# KiCad board type-c-card_lexxpluss_2023.kicad_pcb (continued)
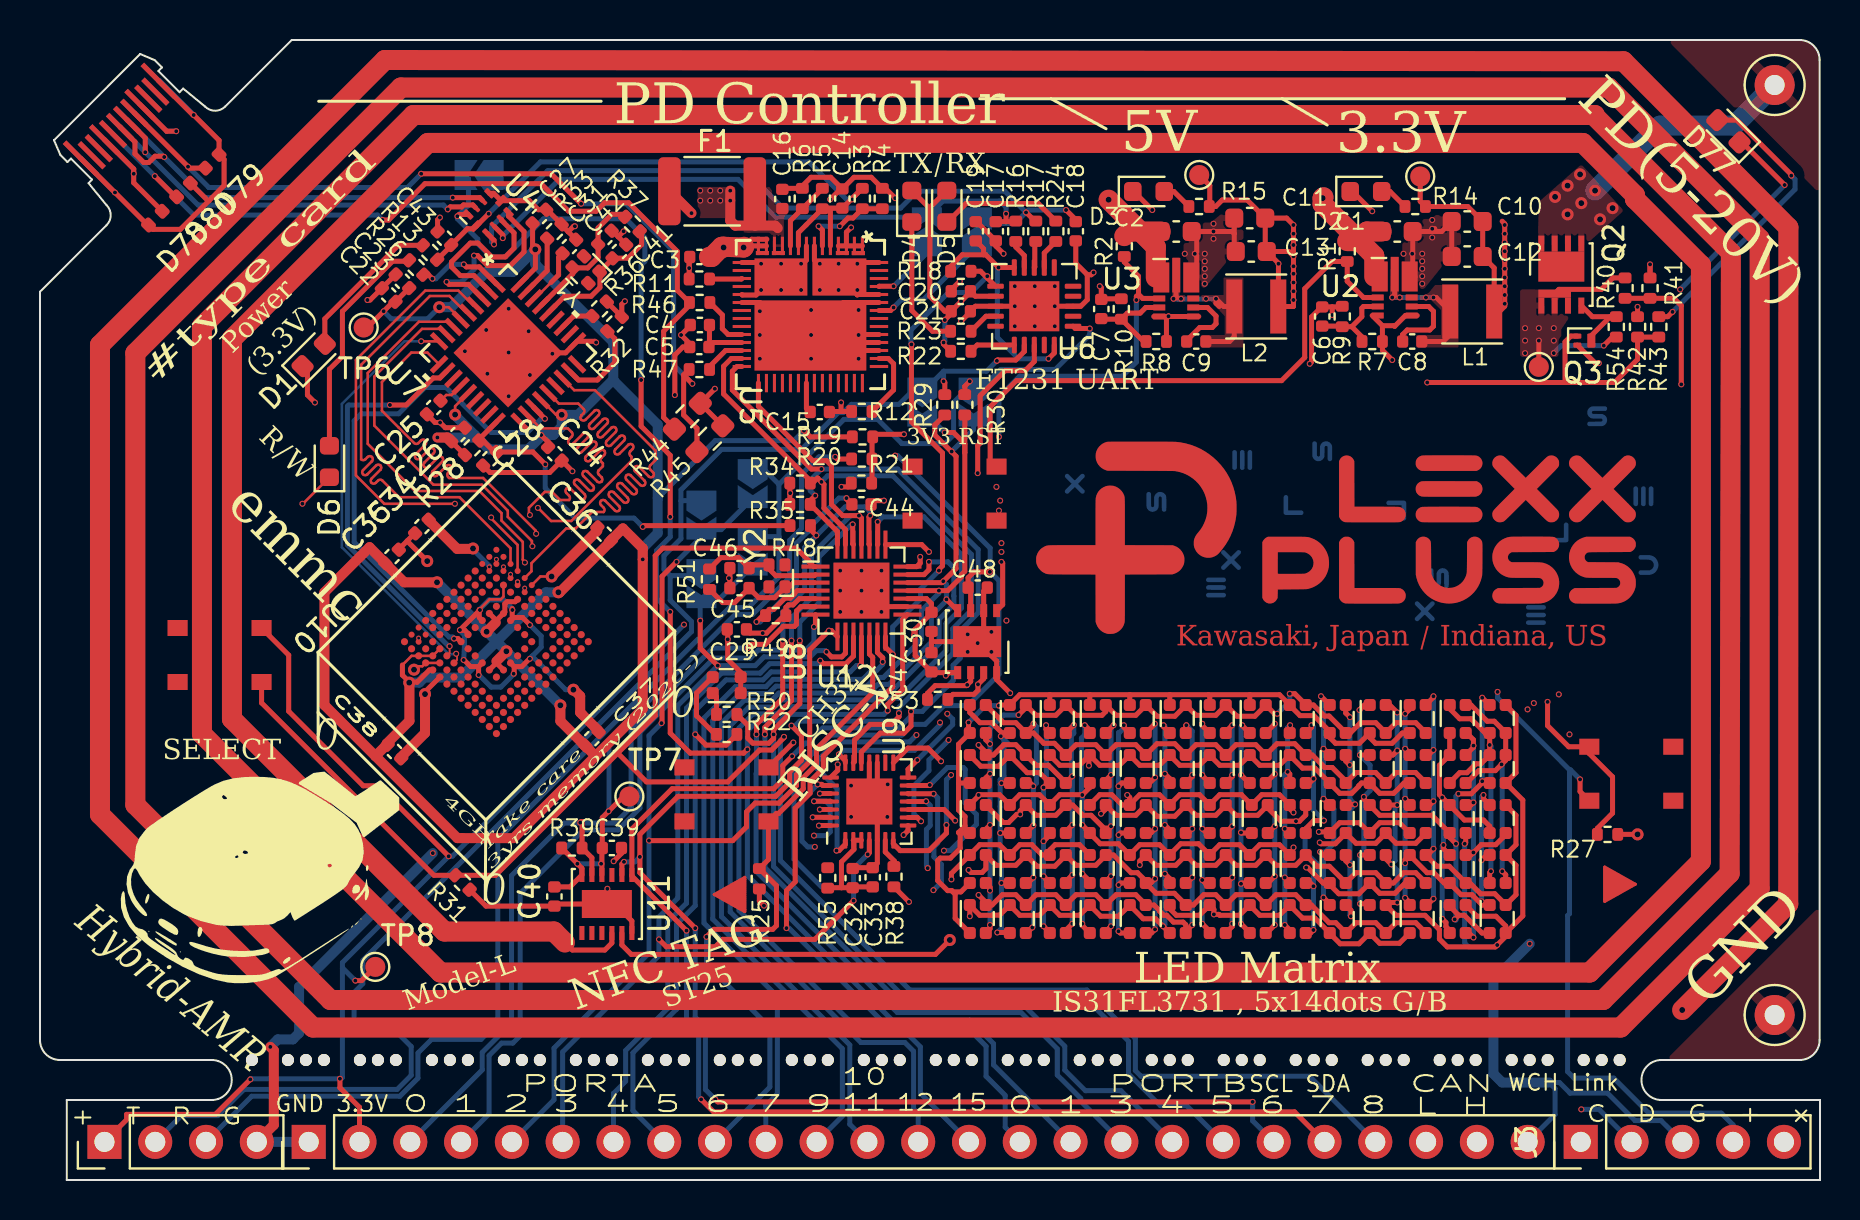
[diagram p0: board, top side]
## Routing (per net, layer and track width the routed paths; a pad name or vN(x,y) marks a point on that pad's centre or on a via; arc(x,y) is an arc through that point) (continued)
/D3: length 24
  Top w0.127: v1(22.83,31.03) U10.B2 ; 24.9,33.61 25.56,32.95 26.57,32.95 29.58,35.96 29.58,36.16 29.52,36.22 arc(29.48,36.33) 29.52,36.43 29.64,36.55 arc(29.68,36.65) 29.64,36.76 arc(29.53,36.8) 29.42,36.76 28.98,36.32 arc(28.87,36.27) 28.77,36.32 arc(28.72,36.42) 28.77,36.53 29.21,36.97 arc(29.25,37.08) 29.21,37.18 arc(29.1,37.23) 29,37.18 28.56,36.74 arc(28.45,36.7) 28.34,36.74 arc(28.3,36.85) 28.34,36.95 28.79,37.4 arc(28.83,37.5) 28.79,37.61 arc(28.68,37.65) 28.57,37.61 28.13,37.17 arc(28.03,37.12) 27.92,37.17 arc(27.88,37.27) 27.92,37.38 28.36,37.82 arc(28.41,37.93) 28.36,38.03 arc(28.26,38.08) 28.15,38.03 27.71,37.59 arc(27.6,37.55) 27.5,37.59 arc(27.45,37.7) 27.5,37.8 27.94,38.24 arc(27.98,38.35) 27.94,38.46 arc(27.83,38.5) 27.73,38.46 27.28,38.01 arc(27.18,37.97) 27.07,38.01 arc(27.03,38.12) 27.07,38.23 27.19,38.34 arc(27.23,38.45) 27.19,38.55 26.92,38.82 25.95,38.82 U7.23
  In1.Cu w0.127: v1(22.83,31.03) 22.83,32.61 23.83,33.61 v2(24.9,33.61) 24.9,33.61
/D4: length 24
  Top w0.09: v1(23.18,30.66) U10.B3
  Top w0.127: U7.20 25.03,37.58 26.4,37.58 26.59,37.39 arc(26.64,37.28) 26.59,37.17 26.46,37.04 arc(26.41,36.93) 26.46,36.82 arc(26.56,36.78) 26.67,36.82 27.16,37.31 arc(27.26,37.36) 27.37,37.31 arc(27.41,37.21) 27.37,37.1 26.88,36.61 arc(26.84,36.51) 26.88,36.4 arc(26.99,36.36) 27.09,36.4 27.58,36.89 arc(27.69,36.93) 27.79,36.89 arc(27.84,36.78) 27.79,36.67 27.31,36.19 arc(27.26,36.08) 27.31,35.98 arc(27.41,35.93) 27.52,35.98 28,36.46 arc(28.11,36.51) 28.22,36.46 arc(28.26,36.36) 28.22,36.25 28.08,36.11 arc(28.04,36.01) 28.08,35.9 28.15,35.83 28.15,35.69 27.94,35.48 arc(27.9,35.38) 27.94,35.27 28.08,35.14 arc(28.13,35.03) 28.08,34.92 arc(27.98,34.88) 27.87,34.92 27.38,35.41 arc(27.28,35.45) 27.17,35.41 arc(27.13,35.3) 27.17,35.2 27.66,34.71 arc(27.7,34.6) 27.66,34.5 arc(27.55,34.45) 27.45,34.5 26.96,34.99 arc(26.85,35.03) 26.75,34.99 arc(26.7,34.88) 26.75,34.77 27.23,34.29 arc(27.28,34.18) 27.23,34.07 arc(27.13,34.03) 27.02,34.07 26.53,34.56 arc(26.43,34.61) 26.32,34.56 arc(26.28,34.46) 26.32,34.35 26.46,34.21 arc(26.5,34.11) 26.46,34 26.01,34 25.61,34.4 25.24,34.4 24.45,33.61 24.45,33.27
  In1.Cu w0.127: 24.45,33.27 v2(24.5,33.25) 24.45,32.6 24.34,32.49 23.66,32.49 23.18,32.01 v1(23.18,30.66)
/D5: length 24
  Top w0.09: 23.53,30.36 U10.B4
  Top w0.127: 24.79,32.33 v2(24.81,32.31) 24.79,32.47 22.16,35.1 20.46,35.1 20.41,35.15 arc(20.37,35.26) 20.41,35.36 20.54,35.49 arc(20.59,35.6) 20.54,35.71 arc(20.44,35.75) 20.33,35.71 19.85,35.23 arc(19.75,35.19) 19.64,35.23 arc(19.6,35.34) 19.64,35.44 20.12,35.92 arc(20.16,36.02) 20.12,36.13 arc(20.01,36.17) 19.91,36.13 19.43,35.65 arc(19.32,35.61) 19.22,35.65 arc(19.17,35.76) 19.22,35.87 19.69,36.34 arc(19.74,36.45) 19.69,36.56 arc(19.59,36.6) 19.48,36.56 19,36.08 arc(18.9,36.03) 18.79,36.08 arc(18.75,36.18) 18.79,36.29 19.27,36.77 arc(19.31,36.87) 19.27,36.98 arc(19.16,37.02) 19.06,36.98 18.93,36.85 arc(18.82,36.8) 18.71,36.85 17.1,38.46 17.1,39.9 18.57,41.37 19.38,41.37 U7.10
  In1.Cu w0.127: 23.53,30.36 23.53,31.07 24.79,32.33
  vias: v1(23.53,30.28)
/D6: length 20.1
  Top w0.127: 24.6,31.74 24.6,31.95 23.39,33.16 23.39,33.47 22.1,34.76 19.68,34.76 16.72,37.72 16.72,40.17 19.11,42.56 20.06,42.56 U7.8
  Top w0.25: U10.B5 v1(23.89,29.91)
  In1.Cu w0.127: 23.89,30.01 23.89,31.03 24.55,31.69 v2(24.62,31.69) 24.62,31.77 24.6,31.74
/D7: length 21.6
  Top w0.09: 24.24,29.61 U10.B6
  Top w0.127: U7.7 20.42,42.91 18.95,42.91 16.39,40.35 16.39,36.81 18.75,34.45 21.98,34.45 23.08,33.34 23.08,32.97 24.14,31.91 24.14,31.02 24.26,30.9
  In1.Cu w0.127: 24.26,30.9 24.26,30.88 v2(24.25,30.88) 24.26,30.87 24.26,29.63 24.24,29.61
  vias: v1(24.24,29.59)
/DCDC_4V5_EN: length 74.8
  Top w0.25: v2(54.83,44) 54.83,44.18 54.94,44.29 ; 54.94,44.29 55.15,44.08 55.7,44.08 ; 54.94,44.29 54.94,45.19 54.22,45.9 R2.1 ; U12.23 41.89,31.78 v2(41.89,32.91)
  In2.Cu w0.25: v2(41.89,32.91) 42.46,33.47 45.77,33.47 47.96,35.66 v2(47.96,37.16)
  Bottom w0.25: v2(41.89,32.91) 42.14,33.16 44.21,33.16 46.08,31.28 46.08,28.59 45.31,27.82 45.31,26.46 42.94,24.09 42.21,24.09 41.78,23.66 37.22,23.66 36.86,23.3 35.67,23.3 34.96,22.59 34.96,13.48 41.19,7.25 43.44,7.25 44.03,6.66 44.03,4.34 J4.14 ; v2(47.96,37.16) 47.96,39.16 48.99,40.19 54.12,40.19 54.83,40.89 v2(54.83,44)
/DTR: length 14.1
  Top w0.25: v2(42.21,33.97) 41.75,33.97 C44.1 ; U6.18 49.72,40.92 49.27,40.47 48.27,40.47 47.02,39.22 47.02,36.84 46.89,36.72 v2(46.89,35.34)
  In2.Cu w0.25: v2(46.89,35.34) 45.52,33.97 v2(42.21,33.97)
/FT231_RESET: length 59.3
  Top w0.25: v2(37.33,12.59) 37.33,14.47 37.77,14.91 37.77,18.59 38.51,19.34 38.51,19.93 39.17,20.59 39.17,21.18 42.64,24.66 v2(42.64,26.28) 42.28,26.64 U12.14 ; v2(44.96,30.47) 44.96,30.53 45.13,30.71 45.13,36.35 43.58,37.91 v2(43.58,41.78) ; R18.1 47.04,45.44 47.29,45.19 v2(47.38,45.19) 47.38,45.1 U6.11
  Bottom w0.25: v2(37.33,12.59) 37.46,12.59 42.43,7.62 46.38,7.62 47.31,6.69 47.31,5.19 48.27,4.23 48.27,2.64 J4.15 ; v2(42.64,26.28) 42.64,27.66 44.04,29.05 44.04,29.55 v2(44.96,30.47) ; v2(43.58,41.78) 43.56,41.81 43.56,42.49 45.44,44.38 46.56,44.38 v2(47.38,45.19)
/I2C_IRQ: length 57.6
  Top w0.25: U12.25 41.08,33.09 v2(40.96,33.22) 40.14,33.22 39.58,33.78 39.58,35.72 39.33,35.97 38.64,35.97 35.93,38.68 U5.29 ; v2(36.25,22.28) 36.25,22.64 37.58,23.97 v2(37.58,26.97)
  Bottom w0.25: J4.18 54.06,4.47 52.28,4.47 51.25,5.5 51.25,6.69 49.19,8.75 43.12,8.75 36.25,15.62 v2(36.25,22.28) ; v2(37.58,26.97) 37.58,28.11 38.58,29.11 38.58,31.26 40.54,33.22 v2(40.96,33.22)
/I2C_SCL: length 99.2
  Top w0.25: v2(29.21,15.91) 29.1,15.8 U11.8 ; v2(33.77,4.03) 33.89,3.91 v2(60.64,3.91) ; v2(37.58,22.72) 38.08,22.22 38.08,20.99 37.49,20.4 37.49,19.88 36.79,19.18 31.9,19.18 30,17.28 v2(30,16.16) 30,15.36 v2(32.77,12.59) ; 40.68,20.86 40.74,20.92 40.74,22 41.52,22.78 42.58,22.78 42.96,23.16 v2(42.96,23.34) ; U5.27 34.57,41.07 34.19,40.69 34.19,39.3 38.52,34.97 R34.2 38.64,34.84 38.89,35.09 38.89,35.09 v2(39.08,34.91) 39.21,34.78 39.21,33.59 40.28,32.52 U12.27
  Bottom w0.25: v2(39.08,34.91) 39.38,35.21 42.65,35.21 46.58,31.28 46.58,28.5 45.65,27.57 45.65,26.32 42.96,23.63 v2(42.96,23.34) 42.96,23.16 42.74,22.94 37.99,22.94 37.77,22.72 v2(37.58,22.72) ; v2(30,16.16) 29.75,15.91 v2(29.21,15.91) ; v2(60.64,3.91) 60.64,2.96 J4.20 ; v2(32.77,12.59) 32.77,8.14 33.28,7.63 33.28,4.52 v2(33.77,4.03)
/I2C_SDA: length 100
  Top w0.25: v2(37.61,21.19) 37.15,20.72 37.15,20.02 36.7,19.57 31.62,19.57 29.6,17.55 U11.7 29.6,15.2 v2(32.33,12.47) ; v2(39.08,35.55) 38.58,35.55 34.62,39.5 34.62,40.44 34.86,40.67 U5.28 ; U9.19 41.07,21.4 42.02,22.34 43.21,22.34 43.56,22.7 v2(43.56,23.43) ; J4.21 62.74,3.41 33.69,3.41 v2(33.06,4.03) ; v2(38.77,34.22) 38.52,33.97 R35.2 39.88,32.42 U12.28
  Bottom w0.25: v2(33.06,4.03) 32.94,4.16 32.94,7.49 32.33,8.09 v2(32.33,12.47) ; v2(38.77,34.22) 38.52,34.47 38.52,34.99 v2(39.08,35.55) 42.89,35.55 46.92,31.52 46.92,28.36 46.02,27.46 46.02,26.09 45.67,25.74 45.67,25.38 45.68,25.37 45.68,24.98 44.12,23.43 v2(43.56,23.43) 43.56,23.2 42.96,22.6 39.15,22.6 38.39,21.84 38.27,21.84 v2(37.61,21.19)
/LED_INTB: length 55.9
  Top w0.25: v2(40.69,13.97) 38.75,12.03 34.14,12.03 33.78,11.67 31.32,11.67 v2(30.96,12.03) ; v2(39.33,26.41) 39.58,26.16 40.1,26.16 40.28,26.34 U12.9 ; U9.4 41.47,16.36 v2(41.39,16.28) ; v2(33.02,27.97) 33.02,26.59 v2(33.89,25.72)
  Bottom w0.25: v2(40.69,13.97) 40.69,15.57 v2(41.39,16.28) ; J4.6 26.14,6.4 30.96,11.22 v2(30.96,12.03) 30.96,13.16 31.89,14.09 31.89,23.72 v2(33.89,25.72) 35.77,25.72 36.21,26.16 38.52,26.16 38.83,26.47 39.27,26.47 v2(39.33,26.41) ; v2(33.02,27.97) 33.02,29.03 JP9.2 34.02,29.09 JP7.2
/PA0: length 42.4
  Top w0.25: v2(27.02,17.87) 27.07,17.92 27.11,17.92 R39.2 27.6,16.11 U11.11 ; v2(35.39,26.59) 35.58,26.78 36.27,26.78 37.17,27.68 37.73,27.68 37.83,27.78 37.83,28.45 38.05,28.67 U12.6 38.22,28.67
  Bottom w0.25: v2(35.39,26.59) 33.64,26.59 29.56,22.51 29.56,18.64 28.77,17.84 26.21,17.84 23.58,15.22 23.58,7.84 22.12,6.38 22.12,5.5 J4.3
/PA1: length 95.4
  Top w0.25: v2(38.71,27.66) 38.78,27.73 U12.7 ; R40.1 R41.1 81.72,44.08 82.08,43.72 v2(82.08,39.78)
  In1.Cu w0.25: v2(48.02,33.97) 48.53,33.97 51.69,37.12 75.49,37.12 78.14,39.78 v2(82.08,39.78)
  In2.Cu w0.25: v2(38.71,27.66) 38.96,27.41 38.96,27.06 39.11,26.91 41.9,26.91 43.58,28.59 43.58,31.72 44.14,32.28 45.69,32.28 47.37,33.97 v2(48.02,33.97)
  Bottom w0.25: v2(38.71,27.66) 38.71,26.91 38.3,26.5 35.92,26.5 35.52,26.09 33.71,26.09 30,22.39 30,18.59 28.91,17.5 27.18,17.5 24.02,14.34 24.02,7.22 23.64,6.84 23.08,6.84 22.46,6.22 22.46,3.3 J4.4
/PA2: length 108.7
  Top w0.25: v2(31.08,22.84) 31.11,22.87 31.11,30.18 v2(31.83,30.91) ; U12.8 39.58,27.47 v2(39.46,27.47) 38.49,26.5 38.49,20.92 37.83,20.26 37.83,19.72 36.96,18.84 35.77,18.84 35.33,18.41 35.33,17.66 34.64,16.97 v2(30.46,16.97) ; 76.27,39.88 76.27,41.91 76.56,42.19 Q3.1 ; 76.27,39.88 v2(69.38,39.88) ; 76.27,39.88 78.74,39.88 79.89,41.03 R42.2 R43.1
  In1.Cu w0.25: v2(69.38,39.88) 64.93,39.88 62.83,37.78 51.52,37.78 48.39,34.66 v2(47.83,34.66)
  In2.Cu w0.25: v2(39.46,27.47) 39.59,27.33 41.82,27.33 43.14,28.66 43.14,31.91 44.14,32.91 45.71,32.91 47.46,34.66 v2(47.83,34.66)
  Bottom w0.25: v2(31.08,22.84) 30.46,22.22 v2(30.46,16.97) 30.46,11.34 25.71,6.59 25.71,4.01 J4.5 ; v2(31.83,30.91) 33.08,32.16 JP6.2 34.07,32.52 JP8.2
/PA4: length 33.7
  Top w0.25: v2(39.02,25.97) 39.17,25.82 40.3,25.82 40.68,26.19 U12.10
  Bottom w0.25: J4.7 28.68,4.33 29.29,4.94 29.29,6.48 31.39,8.58 31.39,12.91 32.33,13.84 32.33,23.59 34.08,25.34 36.02,25.34 36.49,25.82 38.87,25.82 v2(39.02,25.97)
/PA5: length 36.7
  Top w0.25: v2(32.77,22.28) 33.3,21.75 34.32,21.75 R52.1 ; v2(41.02,25.72) 41.08,25.78 U12.11
  Bottom w0.25: v2(41.02,25.72) 40.83,25.72 40.52,25.41 36.56,25.41 36.16,25 34.3,25 32.77,23.47 32.77,13.72 31.83,12.78 31.83,8.54 29.65,6.36 29.65,3.47 J4.8
/PA6: length 33.7
  Top w0.25: U12.12 41.48,26.29 41.64,26.13 41.64,24.37 38.83,21.56 38.83,20.78 38.17,20.12 38.17,19.56 36.94,18.33 36.83,18.33 SW2.1 36.43,16.03 R25.1 36.83,14.71 36.83,12.72 36.64,12.53 33.71,12.53 v2(33.33,12.16)
  Bottom w0.25: v2(33.33,12.16) 33.33,10.79 36.5,7.62 36.5,4.65 J4.9
/PA7: length 80.4
  Top w0.25: U12.13 41.88,26.38 42.14,26.11 v2(42.14,25.91) ; R27.1 77.88,17.58 78.64,18.34 78.64,20.16 77.48,21.32 SW3.1 76.45,21.66 75.39,22.72 v2(75.39,23.91)
  In1.Cu w0.25: v2(75.39,23.91) 75.27,23.91 74.52,24.66 74.52,25.59 73.77,26.34 52.02,26.34 50.39,27.97 v2(48.33,27.97)
  In2.Cu w0.25: v2(42.14,25.91) 42.02,26.03 42.02,26.55 43.57,28.09 48.21,28.09 v2(48.33,27.97)
  Bottom w0.25: v2(42.14,25.91) 42.14,25.78 41.83,25.47 41.58,25.47 41.14,25.03 36.67,25.03 36.3,24.66 34.78,24.66 33.21,23.09 33.21,12.84 36.88,9.18 36.88,4.31 36.3,3.73 J4.10
/PA9: length 53.5
  Top w0.25: 46.25,36.38 46.25,30.43 46.07,30.25 46.07,30.15 45.39,29.47 v2(44.96,29.47) U12.18 ; 46.25,36.38 R30.2 ; 46.25,36.38 46.25,36.81 45.69,37.38 v2(45.25,37.38)
  Bottom w0.25: JP4.2 44.45,38.17 v2(45.25,37.38) ; v2(44.96,29.47) 44.96,29.34 44.08,28.47 44.08,27.03 42.18,25.13 41.78,25.13 41.34,24.69 36.81,24.69 36.44,24.32 35,24.32 33.64,22.97 33.64,13.04 40.12,6.56 40.12,3.19 J4.11
/PA10/11: length 53.6
  Top w0.25: 45.59,36.41 v2(45.59,36.43) ; 45.59,36.41 44.75,37.25 44.75,37.75 R29.1 ; 45.59,36.41 45.81,36.19 45.81,30.57 v2(45.18,29.94) 45.11,29.87 U12.19 ; v2(45.33,29.03) U8.4
  Bottom w0.25: v2(45.18,29.94) 45.33,29.78 v2(45.33,29.03) 45.33,28.97 44.58,28.22 44.58,26.91 42.46,24.78 41.91,24.78 41.48,24.34 36.94,24.34 36.58,23.98 35.22,23.98 34.08,22.84 34.08,13.17 40.5,6.75 40.5,2.79 J4.12 ; v2(45.59,36.43) 46.69,37.52 JP3.2
/PA12: length 51.4
  Top w0.25: v2(44.46,30.91) 44.46,30.51 44.21,30.27 U12.20 ; U8.1 48.14,28.77 48.14,30.84 v2(48.08,30.91)
  In2.Cu w0.25: v2(44.46,30.91) v2(48.08,30.91)
  Bottom w0.25: J4.13 43.92,3.32 43.69,3.55 43.69,6.44 43.25,6.88 41.05,6.88 34.52,13.41 34.52,22.72 35.44,23.64 36.72,23.64 37.08,24 41.62,24 42.05,24.44 42.6,24.44 44.97,26.81 44.97,28.04 45.71,28.78 45.71,29.19 45.7,29.2 45.7,30.62 45.41,30.91 v2(44.46,30.91)
/PB1: length 87.1
  Top w0.25: v2(30.06,40) 30.06,37.69 31.52,36.23 v2(31.52,33.16) ; v2(20.88,48.19) 20.96,48.28 U4.9 ; U12.15 43.14,28.03 43.14,24.53 42.39,23.78 v2(42.39,23.47) ; v2(35.38,21.53) 35.19,21.34 32.52,21.34 31.52,22.34 v2(31.52,28.41)
  Bottom w0.25: JP5.2 21.43,50.06 21.43,48.74 v2(20.88,48.19) 20.88,48.06 21.89,47.04 21.89,46.81 22.55,46.16 23.28,46.16 25.19,48.06 29.3,48.06 30.25,47.11 30.25,45.94 30.06,45.75 v2(30.06,40) ; v2(31.52,28.41) 30.83,29.09 30.83,31.47 31.52,32.16 v2(31.52,33.16) ; J4.16 47.69,5.76 47.69,6.81 46.5,8 42.61,8 35.38,15.23 35.38,22.45 35.89,22.96 37,22.96 37.32,23.28 42.21,23.28 v2(42.39,23.47)
/PB3: length 48.4
  Top w0.25: v2(35.83,22.28) 35.83,22.78 37.14,24.09 37.14,26.96 v2(37.15,26.97) ; U12.24 41.46,31.79 41.46,33.16 v2(41.52,33.22) ; R48.1 38.53,32.52 v2(38.82,32.23)
  Bottom w0.25: v2(41.52,33.22) 41.52,33.41 41.27,33.66 40.27,33.66 38.24,31.63 38.24,29.5 37.15,28.41 v2(37.15,26.97) ; J4.17 52.05,3.94 52.05,4.08 50.88,5.25 50.88,6.56 49.06,8.38 42.88,8.38 35.81,15.44 35.81,20.32 35.83,20.34 v2(35.83,22.28)
/PB5: length 52.1
  Top w0.25: R50.1 35.39,22.74 35.39,22.09 35.65,21.84 36.45,21.84 36.69,22.07 v2(36.69,22.28) 36.69,22.51 38,23.82 v2(38,26.97) ; v2(40.64,32.78) 40.64,31.81 U12.26
  Bottom w0.25: v2(36.69,22.28) 36.69,15.67 43.2,9.16 52.22,9.16 54.44,6.94 54.44,5.31 56.03,3.72 57.35,3.72 J4.19 ; v2(40.64,32.78) 40.58,32.78 38.96,31.16 38.96,28.86 38,27.9 v2(38,26.97)
/PB8: length 96.8
  Top w0.25: v2(37.21,22.16) 37.21,22.11 36.59,21.5 35.99,21.5 34.39,19.91 30.33,19.91 28.89,21.34 ; 28.89,21.34 22.79,15.24 R31.1 19.7,15.24 11.08,23.86 SW4.1 ; 28.89,21.34 29.73,22.18 30.77,23.22 30.77,31.22 31.14,31.59 37.82,31.59 38.46,30.96 38.46,30.91 38.69,30.67 U12.1
  Bottom w0.25: J4.22 63.5,5.19 55.06,5.19 54.78,5.47 54.78,7.08 52.36,9.5 43.5,9.5 37.03,15.97 37.03,21.98 v2(37.21,22.16)
/pwr_CH332_3V3: length 171.5
  Top w0.25: SW3.2 77.02,19.42 v2(77.02,20.03) ; 37.97,29.07 37.66,28.75 37.43,28.75 37.3,28.63 R49.2 37.21,28.22 36.33,27.34 35.52,27.34 C29.1 ; v2(43.71,27.2) 43.71,27.47 43.77,27.53 ; 43.77,27.53 44.58,28.34 C30.1 44.58,28.82 44.33,29.07 U12.17 ; 43.77,27.53 43.77,26.22 C47.1 44.62,25.37 U8.5 45.45,25.37 v2(45.3,25.22) ; TP8.1 16.08,9.97 v2(15.77,9.97) ; v2(37.68,21.88) SW2.2 ; v2(10.52,5.03) 8.77,3.28 4.33,3.28 4.33,3.01 J1.1 ; J4.2 15.98,3.63 15,4.61 v2(15,5.06) ; v2(40.08,34.66) 40.38,34.66 R21.2 ; SW4.2 12.44,26.24 12.44,23.44 16.16,19.71 16.91,19.71 v2(20.44,16.19) ; R35.1 37.5,34.32 v2(37.52,34.34) 37.5,34.36 R34.1 ; 38.01,29.07 U12.5
  In1.Cu w0.25: v2(45.3,25.22) 45.3,24.75 46.21,23.84 47.39,23.84 48.52,24.97 72.33,24.97 v2(72.89,24.41)
  In2.Cu w0.25: 38.89,25.12 37.05,25.12 36.08,26.09 36.08,27.28 v2(36.14,27.34) ; 38.89,25.12 38.89,23.09 v2(37.68,21.88) ; 38.89,25.12 38.92,25.09 42.33,25.09 43.71,26.47 v2(43.71,27.2) ; v2(32.21,27.77) 32.51,27.47 36.02,27.47 v2(36.14,27.34) ; v2(36.14,27.34) 36.26,27.46 36.26,33.08 v2(37.52,34.34) 38.27,33.59 38.96,33.59 40.02,34.66 v2(40.08,34.66)
  Bottom w0.25: v2(15.77,9.97) 15.14,10.59 15.12,10.59 ; v2(32.21,27.77) 20.62,16.19 v2(20.44,16.19) 15.12,10.88 15.12,10.59 ; J3.4 84.67,2.75 84.08,3.34 80.46,3.34 78.71,5.09 76.72,5.09 76.39,5.42 76.39,13.22 76.49,13.31 76.49,20.51 ; v2(10.52,5.03) 10.55,5.06 v2(15,5.06) 15.06,5.06 15.12,5.12 15.12,10.59 ; 76.49,20.51 76.54,20.51 v2(77.02,20.03) ; 76.49,20.51 72.89,24.11 v2(72.89,24.41)
/pwr_emmc_3V3: length 147.7
  Top w0.127: U7.22 25.08,38.99 25.81,38.26 v3(26.09,38.26) ; v3(20.76,38.27) 20.76,38.69 21.4,39.33 U7.14 ; 18.12,25.75 18.58,26.21 U10.P3 U10.N4 U10.M4 ; v3(19.97,43.64) 20.44,43.64 21.04,43.04 U7.6
  Top w0.25: C24.1 25.41,36.9 v2(25.06,37.25) ; 22.83,25.85 U10.J10 23.18,25.5 ; 22.83,25.85 U10.K9 ; 22.83,25.85 22.83,25.94 ; 18.12,25.75 18.12,25.25 18.47,24.89 18.86,24.89 19.47,25.5 U10.P5 ; C26.1 R28.1 ; v2(38.21,37.47) 38.52,37.16 R19.2 ; TP6.1 16.38,42.62 v2(17.19,43.44) 17.66,43.91 C22.1 C23.1 ; U10.C6 23.76,28.92 23.35,28.92 23.25,28.81 23.25,28.4 U10.E6 22.8,27.95 22.8,27.88 22.8,28.01 U10.F5 ; U7.36 24.77,45.59 v3(24.77,46.53) 24.64,46.66 C27.1
  Top w0.5: v2(19.88,37.12) 20.38,37.12 C26.1 ; v3(22.33,27.42) 22.8,27.88 ; 27.78,21.19 30.14,23.55 v2(30.14,31.03) 30.14,31.59 29.15,32.58 28.55,31.98 C36.1 28.55,31.94 26,29.39 v3(25.92,29.39) ; 27.78,21.19 23.69,17.09 20.88,17.09 16.78,21.19 ; 27.78,21.19 27.25,21.73 27.25,21.73 26.03,22.95 v3(26.03,23.73) ; v3(23.33,26.44) 22.83,25.94 ; 16.78,21.19 14.22,23.75 14.22,29.39 16.48,31.64 17.27,30.85 C35.1 17.27,30.83 18.22,29.89 v3(19.86,29.89) ; 16.78,21.19 17.34,21.76 17.34,21.82 18.47,22.95 18.47,24.89
  Bottom w0.25: v3(19.97,43.64) 19.39,43.06 17.56,43.06 v2(17.19,43.44) ; 30.89,34.09 33.77,36.97 37.71,36.97 v2(38.21,37.47)
  Bottom w0.5: v3(25.92,29.39) 25.3,29.39 21.03,25.12 19.22,25.12 18.96,24.87 v3(18.47,24.87) ; v2(19.88,37.12) 21.62,37.12 21.75,37.25 ; 28.67,40.02 28.67,39.99 30.89,37.77 30.89,32.34 30.14,31.59 v2(30.14,31.03) ; 28.67,40.02 26.91,38.26 v3(26.09,38.26) 26.09,37.66 25.68,37.25 v2(25.06,37.25) 25.06,37.18 24.41,36.53 22.46,36.53 21.75,37.25 ; 28.67,40.02 28.67,41.89 24.77,45.79 v3(24.77,46.53) 23.65,45.41 22.33,45.41 20.57,43.64 v3(19.97,43.64) ; 21.75,37.25 20.76,38.23 v3(20.76,38.27) ; 19.88,29.89 v3(19.86,29.89) 19.86,29.89 v3(22.33,27.42) 22.34,27.42 v3(23.33,26.44) v3(26.03,23.73)
/pwr_RFID_3V3: length 33.6
  Top w0.25: U11.10 28.1,15.78 v2(28.06,15.81) 28.1,15.85 28.1,16.58 C39.1 28.12,18.12 v2(28.44,18.44) 29.18,19.17 TP7.1 ; 40.58,36.06 R20.2 39.88,36.05 v2(39.77,36.16) ; C40.1 26.5,14.66 U11.12 27.1,15.59 26.88,15.81 v2(26.88,15.81) 26.88,15.81 R39.1
  Bottom w0.25: v2(28.44,18.44) 28.46,18.46 28.46,21.97 34.77,28.28 35.64,28.28 37.49,30.13 37.49,31.98 38.08,32.57 38.08,35.28 38.96,36.16 v2(39.77,36.16) ; v2(28.06,15.81) v2(26.88,15.81)
/RST: length 25.7
  Top w0.25: v2(25.25,38.06) 24.7,38.61 U7.21 ; v2(20.71,27.07) 20.9,27.07 U10.K5
  Bottom w0.25: v2(20.71,27.07) 20.63,27.15 20.46,27.15 15.72,31.89 15.72,37.97 16.06,38.31 17.94,38.31 19.25,39.62 20.31,39.62 22.56,37.38 24.38,37.38 25.06,38.06 v2(25.25,38.06)
/RXD: length 76.7
  Top w0.25: R30.1 46.25,39.69 v2(46.5,39.94) ; U6.1 51.78,42.58 v2(52.5,42.58)
  Bottom w0.25: JP7.1 36.94,32.17 36.96,32.16 ; 36.96,32.16 36.96,30.16 35.42,28.62 34.48,28.62 22.89,17.03 22.89,7.87 22.06,7.03 19.58,7.03 18.9,6.35 18.9,5.09 18,4.19 10.59,4.19 J1.3 ; 36.96,32.16 36.96,34.78 ; 36.96,34.78 40.21,38.03 41.89,38.03 43.1,36.82 45.26,36.82 45.69,37.25 45.69,38.88 46.43,39.62 47.35,39.62 47.35,39.83 48.05,40.53 50.78,40.53 52.5,42.25 v2(52.5,42.58) ; 36.96,34.78 36.19,35.54 JP8.1
/TXD: length 78.1
  Top w0.25: U6.17 49.22,41.42 48.8,41 47.9,41 v2(47.85,40.96) ; R29.2 45.25,39.88 v2(45.19,39.94)
  Bottom w0.25: J1.2 7.08,3.22 8.89,3.22 10.2,4.53 17.86,4.53 18.56,5.23 18.56,6.68 17.96,7.28 15.71,7.28 15.71,9.38 16.14,9.81 16.14,10.98 32.58,27.42 32.58,27.92 31.52,28.99 31.52,30.22 ; 32.05,33.97 32.05,34.5 34.08,36.53 38.08,36.53 39.92,38.37 40.17,38.37 40.58,38.78 42.96,38.78 43.8,39.62 JP4.1 44.38,39.62 45.19,40.44 ; 32.05,33.97 32.05,32.07 31.21,31.22 31.21,30.53 31.52,30.22 ; 32.05,33.97 JP6.1 ; 45.19,40.44 v2(45.19,39.94) ; 45.19,40.44 47.34,40.44 v2(47.85,40.96) ; JP9.1 32.76,30.22 31.52,30.22
USB-CC1: length 43.9
  Top w0.25: D80.2 6.78,49.16 v2(5.74,50.19) ; v2(17.12,48) 17.44,48 19.25,49.81 25.06,49.81 26.44,48.44 27.81,48.44 28.24,48.86 29.44,48.86 31.88,46.43 31.88,44.48 R46.1 32.48,43.73 31.19,42.44 31.19,38.12 31.73,37.58 R44.1
  Bottom w0.25: U1.A5 3.65,52.29 v2(5.74,50.19) 7.69,48.25 16.88,48.25 v2(17.12,48)
USB-CC2: length 43.4
  Top w0.25: v2(19.06,50.31) 25.56,50.31 v2(27.06,48.81) ; U1.B5 v2(7.4,50.67) 7.47,50.59 D79.2 ; 32.19,40.25 32.19,38.25 32.85,37.58 R45.1 ; 32.19,40.25 R47.1 ; 32.19,40.25 32.62,39.81 v2(32.62,39.81)
  Bottom w0.25: v2(32.62,39.81) 31.69,40.75 31.69,46.44 29.31,48.81 v2(27.06,48.81) ; v2(19.06,50.31) 18.38,49.62 8.44,49.62 v2(7.4,50.67)
Net-(C8-Pad1): length 7.1
  Top w0.25: v2(69.69,44.12) 69.82,44.12 L1.2 70.53,42.28 70.18,41.92 C8.1 ; 67.75,45.15 67.75,44.25 v2(67.62,44.12) 67.7,44.2 67.75,44.2
  Bottom w0.25: v2(67.62,44.12) v2(68,44.12) v2(69.31,44.12) v2(69.69,44.12)
Net-(C9-Pad1): length 8.1
  Top w0.25: 56.81,44.21 56.81,44.12 ; 56.81,44.12 56.81,45.09 56.82,45.1 ; 56.81,44.12 v2(56.69,44.06) ; C9.1 59.49,41.92 59.72,42.16 L2.2 59.2,43.67 v2(58.81,44.06) 58.81,43.84 58.97,43.67
  Bottom w0.25: v2(58.81,44.06) v2(58.31,44.06) 58.3,44.05 56.89,44.05 ; v2(56.69,44.06) 56.89,44.05 ; 56.89,44.05 57.05,44.05 v2(57.06,44.06) 57.07,44.05
Net-(C25-Pad1): length 1.4
  Top w0.127: U7.13 21.04,39.66 ; U7.13 21.01,39.71 ; U7.13 20.58,39.25 20.31,39.25 C25.1
Net-(C31-Pad1): length 2.9
  Top w0.127: U7.34 24.77,44.09 25.56,44.88
  Top w0.25: 25.56,44.88 25.94,45.26 25.94,46.13 C31.1
Net-(D1-A): length 7.7
  Top w0.25: R13.2 17.92,46.74 14.24,43.06 D1.2
Net-(D2-A): length 1.5
  Top w0.25: D2.2 67.51,49.42 68.26,48.67
Net-(D3-A): length 1.5
  Top w0.25: R15.2 56.71,49.42 D3.2
Net-(D4-K): length 6.8
  Top w0.25: D4.1 43.6,43.48 44.64,42.44 R23.1
Net-(D5-K): length 6.2
  Top w0.25: R24.1 49.92,48.83 46.31,48.83 45.39,47.9 D5.1
Net-(D6-A): length 11.4
  Top w0.25: R26.2 18.4,45.94 17.63,45.94 15.12,43.43 15.12,41.19 14.47,40.54 D6.2
Net-(D10-A1): length 50.2
  Top w0.25: 45.94,17.38 46.26,17.7 46.26,18.17 45.94,18.5 45.94,19.81 ; 45.94,17.38 46.02,17.29 46.02,16.58 45.53,16.09 45.02,16.09 44.89,15.97 44.89,14.97 45.39,14.47 45.59,14.47 ; 45.94,17.38 45.96,17.35 D25.3 ; D13.1 58.5,24.2 58.44,24.27 ; D10.1 52.5,24.27 ; 52.5,24.27 50.5,24.27 ; 52.5,24.27 54.5,24.27 ; 58.44,24.27 60.5,24.27 ; 58.44,24.27 56.5,24.27 ; 50.5,24.27 D9.1 ; 50.5,24.27 49,24.27 48.5,23.77 D8.1 47.99,23.75 v2(47.96,23.72) ; 45.59,14.47 45.66,14.41 46.06,14.41 D34.3 ; 45.59,14.47 45.77,14.29 45.77,13.08 D43.3 ; U9.21 40.28,20.96 v2(39.96,21.28) ; D69.3 68.13,22.35 67.62,21.83 66.79,21.83 66.5,22.12 D61.3 65.99,21.83 64.79,21.83 64.5,22.12 D52.3 64.5,22.43 63.71,23.22 63.02,23.22 62.5,23.73 D15.1 61.99,24.27 60.5,24.27 ; 60.5,24.27 D14.1 ; 45.94,19.81 45.97,19.85 D16.3 ; 45.94,19.81 45.94,21.79 D7.3 46.44,22.41 v2(46.44,22.88) ; 54.5,24.27 56.5,24.27 ; 54.5,24.27 D11.1 ; 56.5,24.27 D12.1
  In2.Cu w0.25: v2(46.44,22.88) 45.19,22.88
  Bottom w0.25: v2(47.96,23.72) 47.28,23.72 v2(46.44,22.88) ; v2(39.96,21.28) 40.16,21.48 43.73,21.48 45.01,22.76 v2(45.01,22.88)
Net-(D10-A2): length 48.5
  Top w0.25: v2(62.5,24.31) 62.75,24.31 63.3,23.77 D15.2 63.68,23.75 64.24,23.2 64.47,23.2 65.3,22.37 D52.4 65.53,22.35 66.04,22.86 66.8,22.86 67.3,22.37 D61.4 67.81,22.86 68.8,22.86 69.3,22.37 D69.4 ; v2(45.33,17.75) 45.33,17.34 44.46,16.47 43.02,16.47 42.68,16.81 42.68,16.99 ; D34.4 47.51,14.64 v2(47.51,14.47) ; D25.4 47.3,17.54 v2(47.51,17.75) ; v2(61.88,23.31) 61.74,23.31 D14.2 61.3,23.73 60.75,23.19 59.86,23.19 D13.2 59.3,23.73 58.8,23.23 57.81,23.23 D12.2 57.3,23.73 56.75,23.19 55.86,23.19 D11.2 55.3,23.73 54.8,23.23 53.81,23.23 D10.2 53.3,23.42 53.11,23.23 51.81,23.23 D9.2 51.3,23.73 50.8,23.23 49.81,23.23 D8.2 49.3,23.61 v2(48.94,23.25) ; v2(47.51,20.31) 47.3,20.1 D16.4 ; D7.4 47.3,22.01 v2(47.51,21.8) ; D43.4 47.51,12.56 v2(47.51,12.75)
  In2.Cu w0.25: v2(45.56,20.25) 47.45,20.25 v2(47.51,20.31)
  Bottom w0.25: v2(48.94,23.25) 48.19,23.25 47.51,22.57 v2(47.51,21.8) v2(47.51,20.31) v2(47.51,17.75) v2(47.51,14.47) v2(47.51,12.75) ; v2(45.56,20.25) 45.33,20.02 v2(45.33,17.75) ; v2(62.5,24.31) 62.5,23.94 v2(61.88,23.31)
Net-(D10-K1): length 50.6
  Top w0.25: D10.3 52.5,22.49 v2(52.25,22.74) ; v2(39,19.32) 39,19.33 U9.24 ; D25.1 46.5,18.77 46.94,19.2 v2(46.94,19.25) 46.98,19.25 47,19.27 47.99,19.27 D26.1 48.5,18.77 49,19.27 49.99,19.27 D27.1 50.5,18.77 51,19.27 52.11,19.27 v2(52.12,19.25) 52.5,19.62 D19.3 ; D72.3 68.28,14.85 67.76,14.33 67,14.33 66.5,14.83 D64.3 65.96,14.31 64.95,14.31 64.5,14.76 D55.3 64.17,14.85 63.39,15.62 v2(63.32,15.62) ; v2(52.12,15.31) 52.5,14.94 D37.3 ; D46.3 52.12,12.72 v2(52.12,12.81) ; D42.1 61.99,16.77 61,16.77 60.5,16.27 D41.1 59.99,16.77 59,16.77 58.5,16.27 D40.1 57.94,16.81 57.05,16.81 56.5,16.27 D39.1 55.99,16.77 55,16.77 54.5,16.27 D38.1 53.94,16.81 53.02,16.81 52.5,17.33 D28.3 52.5,17.38 v2(52.12,17.75)
  In2.Cu w0.25: v2(63.32,15.62) 62.69,16.26 v2(62.69,16.62) ; v2(39,19.32) 39.5,19.32 40.47,20.29 43.51,20.29 43.58,20.22 43.58,18.78 43.96,18.41 45.08,18.41 45.93,19.25 v2(46.94,19.25)
  Bottom w0.25: v2(52.25,22.74) 52.25,22.26 52.08,22.09 52.08,19.29 v2(52.12,19.25) v2(52.12,17.75) v2(52.12,15.31) v2(52.12,12.81)
Net-(D10-K2): length 46.4
  Top w0.25: D72.4 69.3,14.87 68.8,15.36 68.2,15.36 67.68,14.85 D64.4 67.3,14.87 66.8,15.36 65.81,15.36 D55.4 65.3,14.87 64.48,15.69 63.86,15.69 D42.2 63.3,16.23 62.8,15.73 61.81,15.73 D41.2 61.3,16.23 60.8,15.73 59.81,15.73 D40.2 59.3,16.23 58.8,15.73 57.81,15.73 D39.2 57.3,16.23 56.8,15.73 55.81,15.73 D38.2 55,15.95 v2(55,15.75) ; U9.10 45.21,18.53 v2(45.77,17.97) ; 53.47,17.59 53.3,17.42 D28.4 ; 53.47,17.59 53.21,17.59 52.57,18.23 52.16,18.23 51.64,18.75 D27.2 51.3,18.73 50.8,18.23 49.81,18.23 D26.2 49.3,18.73 49.02,18.45 v2(49.02,18.28) 48.85,18.28 48.44,17.88 48.18,17.88 D25.2 47.3,18.73 ; 53.47,17.59 v2(53.56,17.69) ; D37.4 53.3,14.92 v2(53.56,15.19) ; v2(53.56,20.25) 53.3,19.99 D19.4 ; v2(53.56,12.69) 53.3,12.42 D46.4 ; v2(53.69,22.74) D10.4